# Altium PCB Board.PcbDoc (part 6 of 15)
Units mil, origin at the board's own origin, x right, y up, seen from the top; angles counter-clockwise.
Board outline 6379.64 x 4143.89 mil, 4 copper layers (Top Layer, GND, VCC, Bottom Layer); 316 components, 199 nets, 1077 pads, 596 vias.
Unrouted connection lines stored in the file: 268.
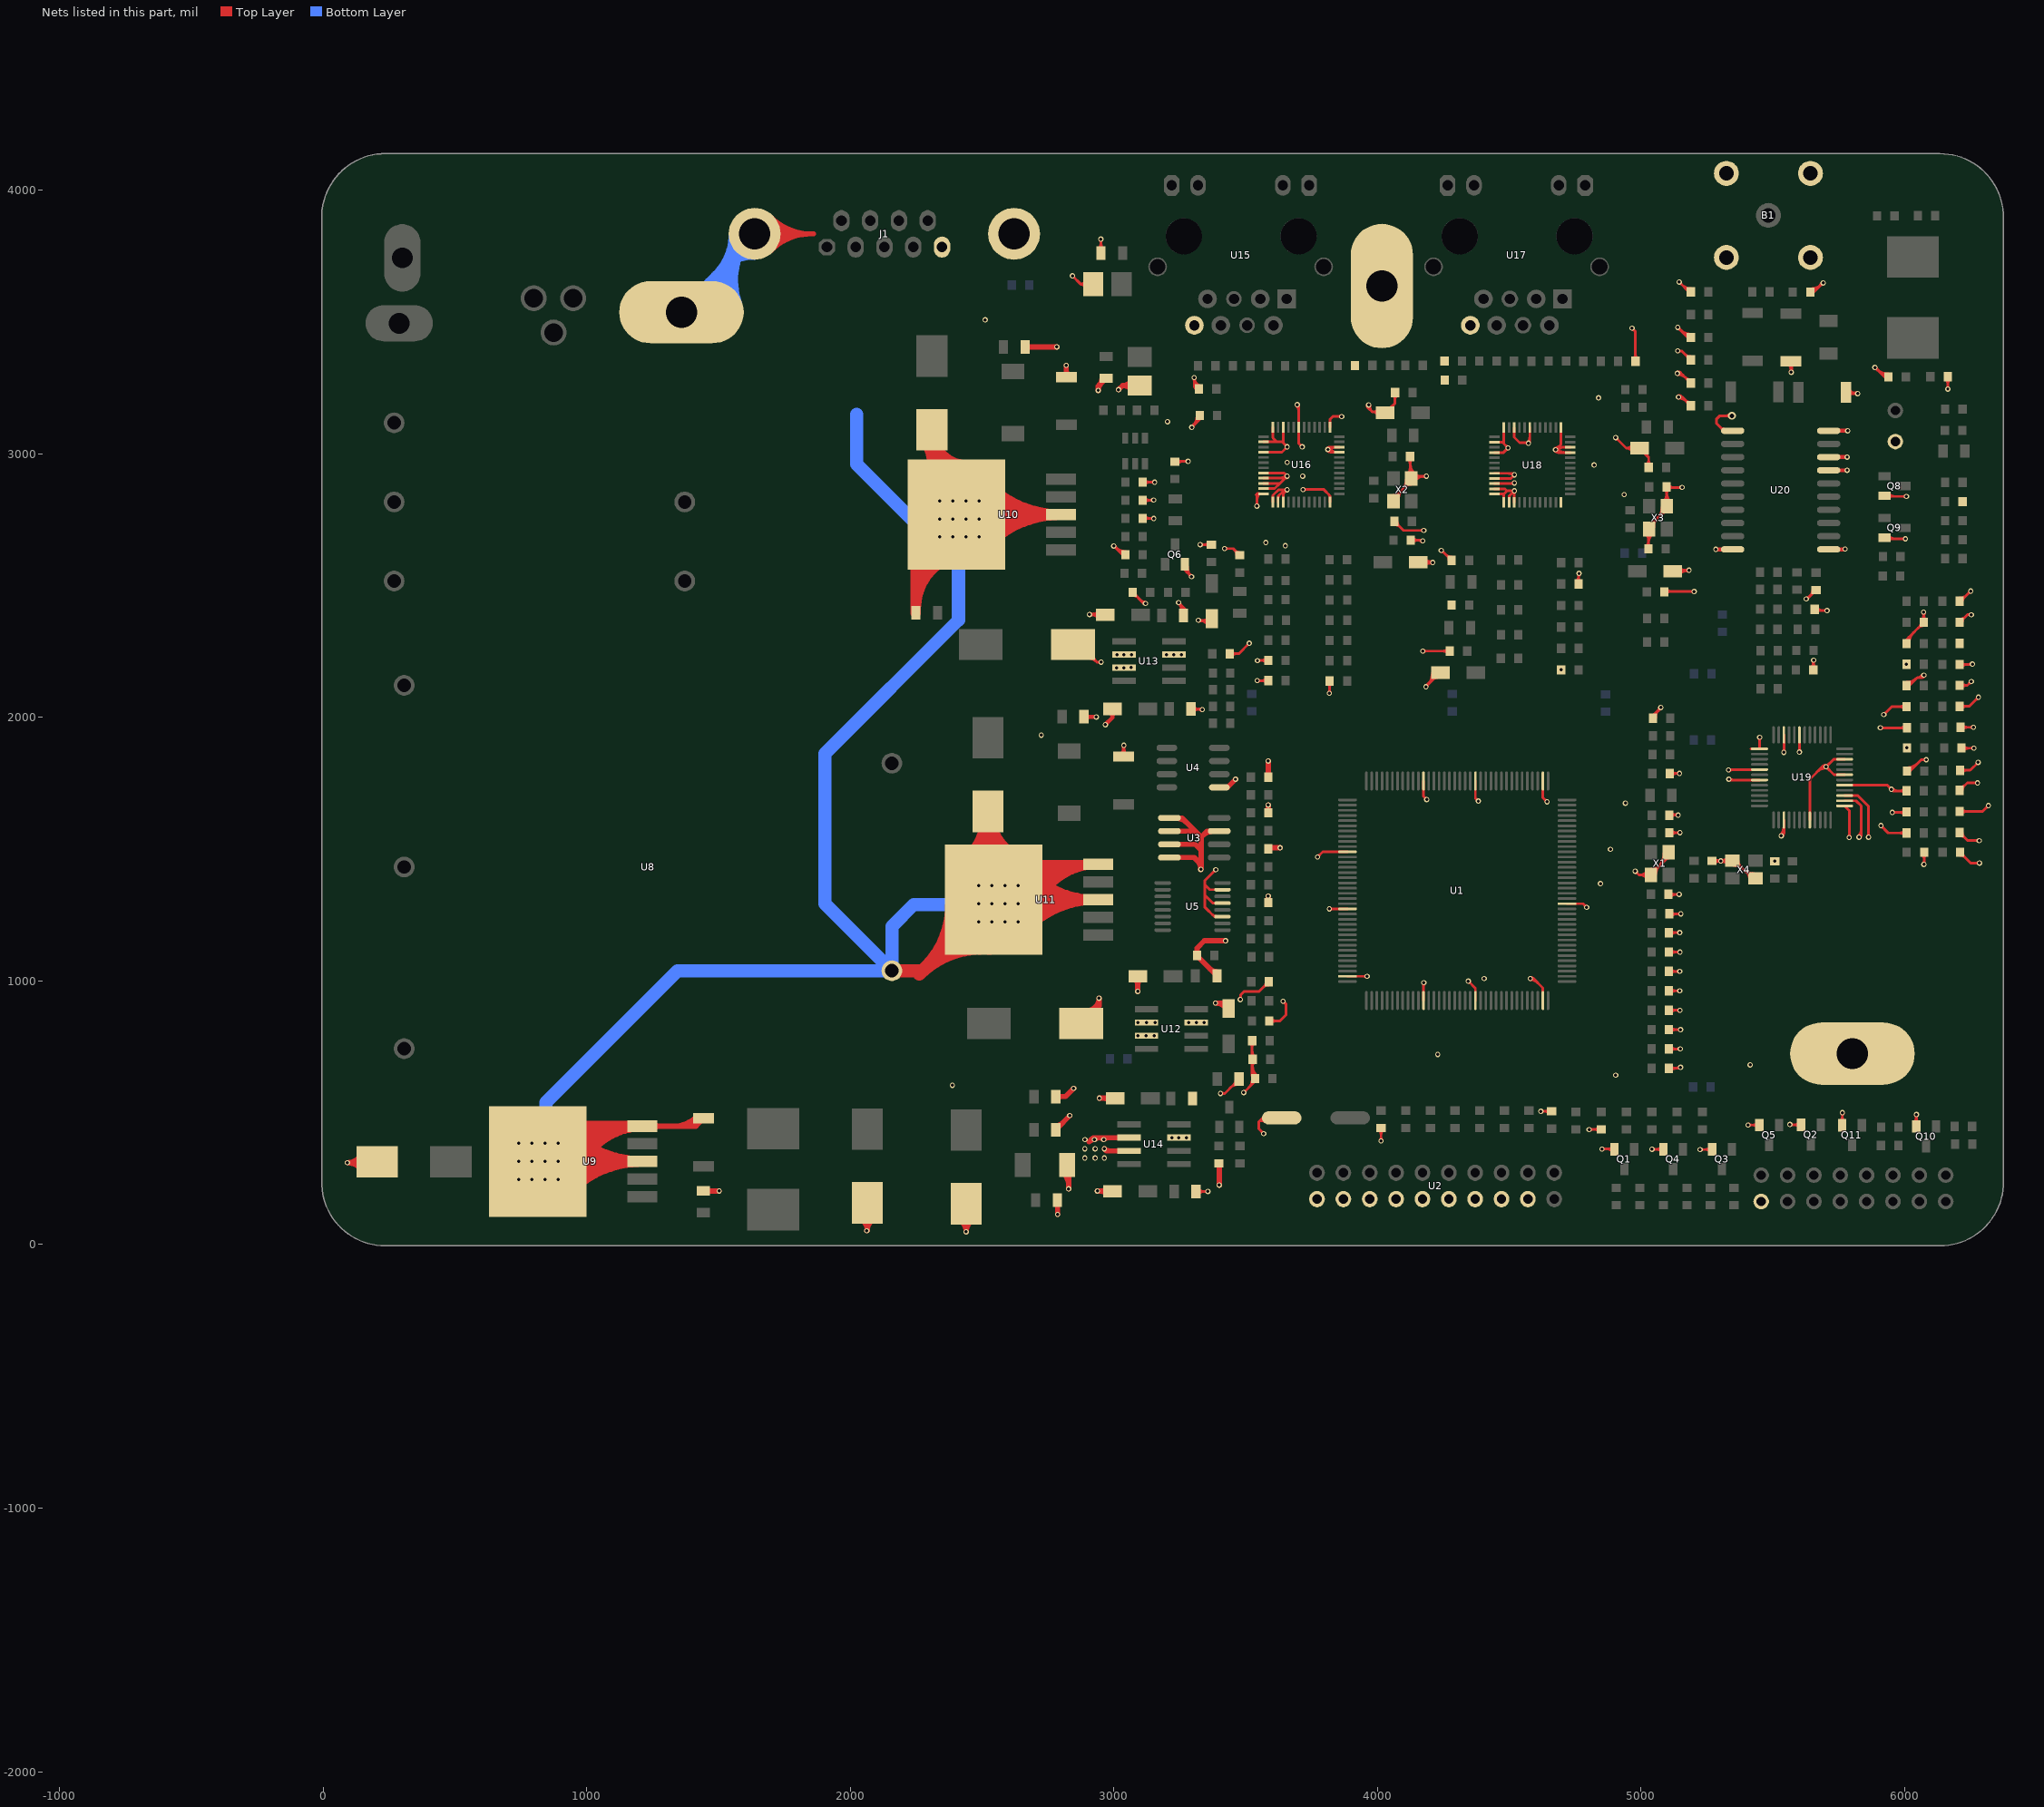
[diagram p7: the nets of this part, all layers, seen from the top]

## Via types
v1: diameter 20, hole 12, Top Layer to Bottom Layer, 590 vias
v2: diameter 30, hole 17, Top Layer to Bottom Layer, 6 vias

## Nets (pads, with @x,y where several pads share a name; then routed paths per layer and width w, separated by ;. In a path a pad name is that pad's centre, name@x,y a point inside that pad or via, vN(x,y) a via of type N, cw(c..) or ccw(c..) an arc to the next point about the centre after c; other vN are vias at no path point) (continued)
GND: (continued)
  Top Layer w10: Q8.1@5939.07,2848.25 ccw(c5962.72,2871.9) 5962.72,2838.45 ; Q8.1@5939.07,2848.25 ccw(c5962.72,2871.9) 5962.72,2838.45 ; Q8.1@5939.07,2848.25 ccw(c5962.72,2871.9) 5962.72,2838.45 ; 5941.06,1735.98 cw(c5932.53,1727.45) v1@5944.6,1727.45 ; 5941.06,1735.98 ccw(c5949.6,1744.52) v1@5949.6,1732.45 ; 5941.06,1735.98 cw(c5932.53,1727.45) v1@5944.6,1727.45 ; 5941.06,1735.98 ccw(c5949.6,1744.52) v1@5949.6,1732.45 ; 5941.06,1735.98 ccw(c5949.6,1744.52) v1@5949.6,1732.45 ; 5941.06,1735.98 cw(c5932.53,1727.45) v1@5944.6,1727.45 ; v1@5953.13,1730.98 ccw(c5976.84,1754.69) 5976.84,1721.17 ; v1@5953.13,1730.98 ccw(c5976.84,1754.69) 5976.84,1721.17 ; v1@5953.13,1730.98 ccw(c5976.84,1754.69) 5976.84,1721.17 ; v1@5956.13,1635.91 cw(c5964.67,1627.38) 5964.67,1639.45 ; v1@5956.13,1635.91 cw(c5964.67,1627.38) 5964.67,1639.45 ; v1@5956.13,1635.91 cw(c5964.67,1627.38) 5964.67,1639.45 ; v1@5956.13,1642.98 ccw(c5964.67,1651.52) 5964.67,1639.45 ; v1@5956.13,1642.98 ccw(c5964.67,1651.52) 5964.67,1639.45 ; v1@5956.13,1642.98 ccw(c5964.67,1651.52) 5964.67,1639.45 ; 5980.38,1639.45 cw(c5980.38,1613.12) C113.1@5999,1631.74 ; 5980.38,1639.45 cw(c5980.38,1613.12) C113.1@5999,1631.74 ; 5980.38,1639.45 cw(c5980.38,1613.12) C113.1@5999,1631.74 ; 5980.65,1561.45 cw(c5980.65,1535.5) C101.1@5999,1553.85 ; 5980.65,1561.45 ccw(c5980.65,1587.4) C101.1@5999,1569.05 ; 5980.65,1561.45 cw(c5980.65,1535.5) C101.1@5999,1553.85 ; 5980.65,1561.45 ccw(c5980.65,1587.4) C101.1@5999,1569.05 ; 5980.65,1561.45 ccw(c5980.65,1587.4) C101.1@5999,1569.05 ; 5980.65,1561.45 cw(c5980.65,1535.5) C101.1@5999,1553.85 ; 5980.65,1721.17 cw(c5980.65,1695.22) C117.1@5999,1713.57 ; 5980.65,1721.17 ccw(c5980.65,1747.11) C117.1@5999,1728.77 ; 5980.65,1721.17 cw(c5980.65,1695.22) C117.1@5999,1713.57 ; 5980.65,1721.17 ccw(c5980.65,1747.11) C117.1@5999,1728.77 ; 5980.65,1721.17 ccw(c5980.65,1747.11) C117.1@5999,1728.77 ; 5980.65,1721.17 cw(c5980.65,1695.22) C117.1@5999,1713.57 ; 5980.65,2040.6 cw(c5980.65,2014.65) C92.1@5999,2033 ; 5980.65,2040.6 ccw(c5980.65,2066.55) C92.1@5999,2048.2 ; 5980.65,2040.6 cw(c5980.65,2014.65) C92.1@5999,2033 ; 5980.65,2040.6 ccw(c5980.65,2066.55) C92.1@5999,2048.2 ; 5980.65,2040.6 ccw(c5980.65,2066.55) C92.1@5999,2048.2 ; 5980.65,2040.6 cw(c5980.65,2014.65) C92.1@5999,2033 ; 5980.92,1639.45 ccw(c5980.92,1665.02) C113.1@5999,1646.94 ; 5980.92,1639.45 ccw(c5980.92,1665.02) C113.1@5999,1646.94 ; 5980.92,1639.45 ccw(c5980.92,1665.02) C113.1@5999,1646.94 ; 5982.65,1960.45 cw(c5982.65,1934.5) C98.1@6001,1952.85 ; 5982.65,1960.45 ccw(c5982.65,1986.4) C98.1@6001,1968.05 ; 5982.65,1960.45 cw(c5982.65,1934.5) C98.1@6001,1952.85 ; 5982.65,1960.45 ccw(c5982.65,1986.4) C98.1@6001,1968.05 ; 5982.65,1960.45 ccw(c5982.65,1986.4) C98.1@6001,1968.05 ; 5982.65,1960.45 cw(c5982.65,1934.5) C98.1@6001,1952.85 ; 5990.53,2677.45 cw(c5990.53,2665.38) v1@5999.06,2673.91 ; 5990.53,2677.45 ccw(c5990.53,2689.52) v1@5999.06,2680.98 ; 5990.53,2677.45 cw(c5990.53,2665.38) v1@5999.06,2673.91 ; 5990.53,2677.45 ccw(c5990.53,2689.52) v1@5999.06,2680.98 ; 5990.53,2677.45 ccw(c5990.53,2689.52) v1@5999.06,2680.98 ; 5990.53,2677.45 cw(c5990.53,2665.38) v1@5999.06,2673.91 ; 5994.53,2838.45 cw(c5994.53,2826.38) v1@6003.06,2834.91 ; 5994.53,2838.45 ccw(c5994.53,2850.52) v1@6003.06,2841.98 ; 5994.53,2838.45 cw(c5994.53,2826.38) v1@6003.06,2834.91 ; 5994.53,2838.45 ccw(c5994.53,2850.52) v1@6003.06,2841.98 ; 5994.53,2838.45 ccw(c5994.53,2850.52) v1@6003.06,2841.98 ; 5994.53,2838.45 cw(c5994.53,2826.38) v1@6003.06,2834.91 ; C109.1@6007.35,2282.14 cw(c6039.57,2282.14) 6016.78,2304.92 ; C109.1@6007.35,2282.14 cw(c6039.57,2282.14) 6016.78,2304.92 ; C109.1@6007.35,2282.14 cw(c6039.57,2282.14) 6016.78,2304.92 ; C109.1@6017.35,2282.14 cw(c6073.71,2282.14) 6033.85,2322 ; C109.1@6017.35,2282.14 cw(c6073.71,2282.14) 6033.85,2322 ; C109.1@6017.35,2282.14 cw(c6073.71,2282.14) 6033.85,2322 ; Q10.1@6036.2,463.92 ccw(c6015.91,484.21) v1@6044.6,484.21 ; Q10.1@6036.2,463.92 ccw(c6015.91,484.21) v1@6044.6,484.21 ; Q10.1@6036.2,463.92 ccw(c6015.91,484.21) v1@6044.6,484.21 ; v1@6041.06,489.91 cw(c6032.53,481.38) 6044.6,481.38 ; v1@6041.06,489.91 cw(c6032.53,481.38) 6044.6,481.38 ; v1@6041.06,489.91 cw(c6032.53,481.38) 6044.6,481.38 ; 6044.6,480.33 ccw(c6067.8,480.33) Q10.1@6051.4,463.92 ; 6044.6,480.33 ccw(c6067.8,480.33) Q10.1@6051.4,463.92 ; 6044.6,480.33 ccw(c6067.8,480.33) Q10.1@6051.4,463.92 ; 6044.6,481.38 cw(c6056.67,481.38) v1@6048.13,489.91 ; 6044.6,481.38 cw(c6056.67,481.38) v1@6048.13,489.91 ; 6044.6,481.38 cw(c6056.67,481.38) v1@6048.13,489.91 ; 6047.78,2151.17 ccw(c6047.78,2174.89) 6068.28,2162.96 cw(c6047.78,2174.89) 6047.78,2151.17 ; 6050.74,2338.88 cw(c6072.45,2317.17) C86.1@6072.45,2347.87 ; 6050.74,2338.88 cw(c6072.45,2317.17) C86.1@6072.45,2347.87 ; 6050.74,2338.88 cw(c6072.45,2317.17) C86.1@6072.45,2347.87 ; 6055.49,2343.63 ccw(c6040.51,2358.62) C86.1@6061.7,2358.62 ; 6055.49,2343.63 ccw(c6040.51,2358.62) C86.1@6061.7,2358.62 ; 6055.49,2343.63 ccw(c6040.51,2358.62) C86.1@6061.7,2358.62 ; C86.1@6064.85,2370.16 ccw(c6048.55,2386.45) 6071.6,2386.45 ; C86.1@6064.85,2370.16 ccw(c6048.55,2386.45) 6071.6,2386.45 ; C86.1@6064.85,2370.16 ccw(c6048.55,2386.45) 6071.6,2386.45 ; R108.2@6066,1478.88 cw(c6047.65,1460.53) 6073.6,1460.53 ; R108.2@6066,1478.88 cw(c6047.65,1460.53) 6073.6,1460.53 ; R108.2@6066,1478.88 cw(c6047.65,1460.53) 6073.6,1460.53 ; v1@6068.06,2395.91 cw(c6059.53,2387.38) 6071.6,2387.38 ; v1@6068.06,2395.91 cw(c6059.53,2387.38) 6071.6,2387.38 ; v1@6068.06,2395.91 cw(c6059.53,2387.38) 6071.6,2387.38 ; v1@6069.06,1445.98 ccw(c6058.11,1456.93) 6073.6,1456.93 ; v1@6069.06,1445.98 ccw(c6058.11,1456.93) 6073.6,1456.93 ; v1@6069.06,1445.98 ccw(c6058.11,1456.93) 6073.6,1456.93 ; 6069.53,1839.45 cw(c6069.53,1827.38) v1@6078.06,1835.91 ; 6069.53,1839.45 ccw(c6069.53,1851.52) v1@6078.06,1842.98 ; 6069.53,1839.45 cw(c6069.53,1827.38) v1@6078.06,1835.91 ; 6069.53,1839.45 ccw(c6069.53,1851.52) v1@6078.06,1842.98 ; 6069.53,1839.45 ccw(c6069.53,1851.52) v1@6078.06,1842.98 ; 6069.53,1839.45 cw(c6069.53,1827.38) v1@6078.06,1835.91 ; 6071.6,2387.38 cw(c6083.67,2387.38) v1@6075.13,2395.91 ; 6071.6,2387.38 cw(c6083.67,2387.38) v1@6075.13,2395.91 ; 6071.6,2387.38 cw(c6083.67,2387.38) v1@6075.13,2395.91 ; v1@6071.6,2390.56 ccw(c6100.45,2390.56) C86.1@6080.05,2370.16 ; v1@6071.6,2390.56 ccw(c6100.45,2390.56) C86.1@6080.05,2370.16 ; v1@6071.6,2390.56 ccw(c6100.45,2390.56) C86.1@6080.05,2370.16 ; 6073.6,1460.53 cw(c6099.55,1460.53) R108.2@6081.2,1478.88 ; 6073.6,1460.53 cw(c6099.55,1460.53) R108.2@6081.2,1478.88 ; 6073.6,1460.53 cw(c6099.55,1460.53) R108.2@6081.2,1478.88 ; R98.1@6156,3282.88 cw(c6137.65,3264.53) 6163.6,3264.53 ; R98.1@6156,3282.88 cw(c6137.65,3264.53) 6163.6,3264.53 ; R98.1@6156,3282.88 cw(c6137.65,3264.53) 6163.6,3264.53 ; v1@6160.06,3248.98 ccw(c6151.53,3257.52) 6163.6,3257.52 ; v1@6160.06,3248.98 ccw(c6151.53,3257.52) 6163.6,3257.52 ; v1@6160.06,3248.98 ccw(c6151.53,3257.52) 6163.6,3257.52 ; 6163.6,3257.52 ccw(c6175.67,3257.52) v1@6167.13,3248.98 ; 6163.6,3257.52 ccw(c6175.67,3257.52) v1@6167.13,3248.98 ; 6163.6,3257.52 ccw(c6175.67,3257.52) v1@6167.13,3248.98 ; 6163.6,3264.53 cw(c6189.55,3264.53) R98.1@6171.2,3282.88 ; 6163.6,3264.53 cw(c6189.55,3264.53) R98.1@6171.2,3282.88 ; 6163.6,3264.53 cw(c6189.55,3264.53) R98.1@6171.2,3282.88 ; C100.1@6208.6,1550.73 cw(c6208.6,1520.03) 6230.31,1541.74 ; C100.1@6208.6,1550.73 cw(c6208.6,1520.03) 6230.31,1541.74 ; C100.1@6208.6,1550.73 cw(c6208.6,1520.03) 6230.31,1541.74 ; C115.1@6208.6,1735.62 ccw(c6208.6,1766.32) 6230.31,1744.61 ; C115.1@6208.6,1735.62 ccw(c6208.6,1766.32) 6230.31,1744.61 ; C115.1@6208.6,1735.62 ccw(c6208.6,1766.32) 6230.31,1744.61 ; C102.1@6208.6,2373.44 ccw(c6208.6,2404.14) 6230.31,2382.43 ; C102.1@6208.6,2373.44 ccw(c6208.6,2404.14) 6230.31,2382.43 ; C102.1@6208.6,2373.44 ccw(c6208.6,2404.14) 6230.31,2382.43 ; R90.1@6208.6,2453.16 ccw(c6208.6,2491.1) 6235.42,2464.28 ; R90.1@6208.6,2453.16 ccw(c6208.6,2491.1) 6235.42,2464.28 ; R90.1@6208.6,2453.16 ccw(c6208.6,2491.1) 6235.42,2464.28 ; C89.1@6209.6,1475.73 cw(c6209.6,1445.03) 6231.31,1466.74 ; C89.1@6209.6,1475.73 cw(c6209.6,1445.03) 6231.31,1466.74 ; C89.1@6209.6,1475.73 cw(c6209.6,1445.03) 6231.31,1466.74 ; C112.1@6216.2,1635.58 cw(c6234.55,1617.23) 6234.55,1643.18 ; C112.1@6216.2,1635.58 cw(c6234.55,1617.23) 6234.55,1643.18 ; C112.1@6216.2,1635.58 cw(c6234.55,1617.23) 6234.55,1643.18 ; C112.1@6216.2,1650.78 ccw(c6234.55,1669.12) 6234.55,1643.18 ; C112.1@6216.2,1650.78 ccw(c6234.55,1669.12) 6234.55,1643.18 ; C112.1@6216.2,1650.78 ccw(c6234.55,1669.12) 6234.55,1643.18 ; C93.1@6216.2,2034.21 cw(c6234.55,2015.86) 6234.55,2041.81 ; C93.1@6216.2,2034.21 cw(c6234.55,2015.86) 6234.55,2041.81 ; C93.1@6216.2,2034.21 cw(c6234.55,2015.86) 6234.55,2041.81 ; C93.1@6216.2,2049.41 ccw(c6234.55,2067.76) 6234.55,2041.81 ; C93.1@6216.2,2049.41 ccw(c6234.55,2067.76) 6234.55,2041.81 ; C93.1@6216.2,2049.41 ccw(c6234.55,2067.76) 6234.55,2041.81 ; C90.1@6216.2,2113.94 cw(c6234.55,2095.59) 6234.55,2121.54 ; C90.1@6216.2,2113.94 cw(c6234.55,2095.59) 6234.55,2121.54 ; C90.1@6216.2,2113.94 cw(c6234.55,2095.59) 6234.55,2121.54 ; C90.1@6216.2,2129.14 ccw(c6234.55,2147.49) 6234.55,2121.54 ; C90.1@6216.2,2129.14 ccw(c6234.55,2147.49) 6234.55,2121.54 ; C90.1@6216.2,2129.14 ccw(c6234.55,2147.49) 6234.55,2121.54 ; C105.1@6216.2,2192.85 cw(c6234.55,2174.5) 6234.55,2200.45 ; C105.1@6216.2,2192.85 cw(c6234.55,2174.5) 6234.55,2200.45 ; C105.1@6216.2,2192.85 cw(c6234.55,2174.5) 6234.55,2200.45 ; C105.1@6216.2,2208.05 ccw(c6234.55,2226.4) 6234.55,2200.45 ; C105.1@6216.2,2208.05 ccw(c6234.55,2226.4) 6234.55,2200.45 ; C105.1@6216.2,2208.05 ccw(c6234.55,2226.4) 6234.55,2200.45 ; C114.1@6218.2,1791.85 cw(c6236.55,1773.5) 6236.55,1799.45 ; C114.1@6218.2,1791.85 cw(c6236.55,1773.5) 6236.55,1799.45 ; C114.1@6218.2,1791.85 cw(c6236.55,1773.5) 6236.55,1799.45 ; C114.1@6218.2,1807.05 ccw(c6236.55,1825.4) 6236.55,1799.45 ; C114.1@6218.2,1807.05 ccw(c6236.55,1825.4) 6236.55,1799.45 ; C114.1@6218.2,1807.05 ccw(c6236.55,1825.4) 6236.55,1799.45 ; C99.1@6219.2,1954.85 cw(c6237.55,1936.5) 6237.55,1962.45 ; C99.1@6219.2,1954.85 cw(c6237.55,1936.5) 6237.55,1962.45 ; C99.1@6219.2,1954.85 cw(c6237.55,1936.5) 6237.55,1962.45 ; C99.1@6219.2,1970.05 ccw(c6237.55,1988.4) 6237.55,1962.45 ; C99.1@6219.2,1970.05 ccw(c6237.55,1988.4) 6237.55,1962.45 ; C99.1@6219.2,1970.05 ccw(c6237.55,1988.4) 6237.55,1962.45 ; C100.1@6219.35,1561.48 ccw(c6240.54,1561.48) 6225.55,1546.49 ; C100.1@6219.35,1561.48 ccw(c6240.54,1561.48) 6225.55,1546.49 ; C100.1@6219.35,1561.48 ccw(c6240.54,1561.48) 6225.55,1546.49 ; C115.1@6219.35,1724.87 cw(c6240.54,1724.87) 6225.55,1739.86 ; C115.1@6219.35,1724.87 cw(c6240.54,1724.87) 6225.55,1739.86 ; C115.1@6219.35,1724.87 cw(c6240.54,1724.87) 6225.55,1739.86 ; C102.1@6219.35,2362.69 cw(c6240.54,2362.69) 6225.55,2377.68 ; C102.1@6219.35,2362.69 cw(c6240.54,2362.69) 6225.55,2377.68 ; C102.1@6219.35,2362.69 cw(c6240.54,2362.69) 6225.55,2377.68 ; R90.1@6219.35,2442.42 cw(c6233.3,2442.42) R90.1@6223.43,2452.28 ; R90.1@6219.35,2442.42 cw(c6233.3,2442.42) R90.1@6223.43,2452.28 ; R90.1@6219.35,2442.42 cw(c6233.3,2442.42) R90.1@6223.43,2452.28 ; C89.1@6220.35,1486.48 ccw(c6241.54,1486.48) 6226.55,1471.49 ; C89.1@6220.35,1486.48 ccw(c6241.54,1486.48) 6226.55,1471.49 ; C89.1@6220.35,1486.48 ccw(c6241.54,1486.48) 6226.55,1471.49 ; C110.1@6223.2,1874.88 cw(c6243.88,1854.19) 6243.88,1883.45 ; C110.1@6223.2,1874.88 cw(c6243.88,1854.19) 6243.88,1883.45 ; C110.1@6223.2,1874.88 cw(c6243.88,1854.19) 6243.88,1883.45 ; C110.1@6223.2,1890.08 ccw(c6239.21,1906.09) 6239.21,1883.45 ; C110.1@6223.2,1890.08 ccw(c6239.21,1906.09) 6239.21,1883.45 ; C110.1@6223.2,1890.08 ccw(c6239.21,1906.09) 6239.21,1883.45 ; 6239.7,2200.45 ccw(c6239.7,2219.35) v1@6253.06,2205.98 ; 6239.7,2200.45 ccw(c6239.7,2219.35) v1@6253.06,2205.98 ; 6239.7,2200.45 ccw(c6239.7,2219.35) v1@6253.06,2205.98 ; 6240.53,2389.45 cw(c6240.53,2377.38) v1@6249.06,2385.91 ; 6240.53,2389.45 ccw(c6240.53,2401.52) v1@6249.06,2392.98 ; 6240.53,2389.45 cw(c6240.53,2377.38) v1@6249.06,2385.91 ; 6240.53,2389.45 ccw(c6240.53,2401.52) v1@6249.06,2392.98 ; 6240.53,2389.45 ccw(c6240.53,2401.52) v1@6249.06,2392.98 ; 6240.53,2389.45 cw(c6240.53,2377.38) v1@6249.06,2385.91 ; 6242.06,2470.91 cw(c6250.6,2462.38) v1@6250.6,2474.45 ; 6242.06,2470.91 ccw(c6233.53,2479.45) v1@6245.6,2479.45 ; 6242.06,2470.91 cw(c6250.6,2462.38) v1@6250.6,2474.45 ; 6242.06,2470.91 ccw(c6233.53,2479.45) v1@6245.6,2479.45 ; 6242.06,2470.91 ccw(c6233.53,2479.45) v1@6245.6,2479.45 ; 6242.06,2470.91 cw(c6250.6,2462.38) v1@6250.6,2474.45 ; 6244.06,2127.91 cw(c6252.6,2119.38) v1@6252.6,2131.45 ; 6244.06,2127.91 ccw(c6235.53,2136.45) v1@6247.6,2136.45 ; 6244.06,2127.91 cw(c6252.6,2119.38) v1@6252.6,2131.45 ; 6244.06,2127.91 ccw(c6235.53,2136.45) v1@6247.6,2136.45 ; 6244.06,2127.91 ccw(c6235.53,2136.45) v1@6247.6,2136.45 ; 6244.06,2127.91 cw(c6252.6,2119.38) v1@6252.6,2131.45 ; 6248.53,1962.45 cw(c6248.53,1950.38) v1@6257.06,1958.91 ; 6248.53,1962.45 ccw(c6248.53,1974.52) v1@6257.06,1965.98 ; 6248.53,1962.45 cw(c6248.53,1950.38) v1@6257.06,1958.91 ; 6248.53,1962.45 ccw(c6248.53,1974.52) v1@6257.06,1965.98 ; 6248.53,1962.45 ccw(c6248.53,1974.52) v1@6257.06,1965.98 ; 6248.53,1962.45 cw(c6248.53,1950.38) v1@6257.06,1958.91 ; 6250.53,1883.45 cw(c6250.53,1871.38) v1@6259.06,1879.91 ; 6250.53,1883.45 ccw(c6250.53,1895.52) v1@6259.06,1886.98 ; 6250.53,1883.45 cw(c6250.53,1871.38) v1@6259.06,1879.91 ; 6250.53,1883.45 ccw(c6250.53,1895.52) v1@6259.06,1886.98 ; 6250.53,1883.45 ccw(c6250.53,1895.52) v1@6259.06,1886.98 ; 6250.53,1883.45 cw(c6250.53,1871.38) v1@6259.06,1879.91 ; 6264.53,1751.45 cw(c6264.53,1739.38) v1@6273.06,1747.91 ; 6264.53,1751.45 ccw(c6264.53,1763.52) v1@6273.06,1754.98 ; 6264.53,1751.45 cw(c6264.53,1739.38) v1@6273.06,1747.91 ; 6264.53,1751.45 ccw(c6264.53,1763.52) v1@6273.06,1754.98 ; 6264.53,1751.45 ccw(c6264.53,1763.52) v1@6273.06,1754.98 ; 6264.53,1751.45 cw(c6264.53,1739.38) v1@6273.06,1747.91 ; 6270.06,1820.91 cw(c6278.6,1812.38) v1@6278.6,1824.45 ; 6270.06,1820.91 ccw(c6261.53,1829.45) v1@6273.6,1829.45 ; 6270.06,1820.91 cw(c6278.6,1812.38) v1@6278.6,1824.45 ; 6270.06,1820.91 ccw(c6261.53,1829.45) v1@6273.6,1829.45 ; 6270.06,1820.91 ccw(c6261.53,1829.45) v1@6273.6,1829.45 ; 6270.06,1820.91 cw(c6278.6,1812.38) v1@6278.6,1824.45 ; 6270.53,1532.45 cw(c6270.53,1520.38) v1@6279.06,1528.91 ; 6270.53,1532.45 ccw(c6270.53,1544.52) v1@6279.06,1535.98 ; 6270.53,1532.45 cw(c6270.53,1520.38) v1@6279.06,1528.91 ; 6270.53,1532.45 ccw(c6270.53,1544.52) v1@6279.06,1535.98 ; 6270.53,1532.45 ccw(c6270.53,1544.52) v1@6279.06,1535.98 ; 6270.53,1532.45 cw(c6270.53,1520.38) v1@6279.06,1528.91 ; 6271.06,2067.91 cw(c6279.6,2059.38) v1@6279.6,2071.45 ; 6271.06,2067.91 ccw(c6262.53,2076.45) v1@6274.6,2076.45 ; 6271.06,2067.91 cw(c6279.6,2059.38) v1@6279.6,2071.45 ; 6271.06,2067.91 ccw(c6262.53,2076.45) v1@6274.6,2076.45 ; 6271.06,2067.91 ccw(c6262.53,2076.45) v1@6274.6,2076.45 ; 6271.06,2067.91 cw(c6279.6,2059.38) v1@6279.6,2071.45 ; 6271.53,1447.45 cw(c6271.53,1435.38) v1@6280.06,1443.91 ; 6271.53,1447.45 ccw(c6271.53,1459.52) v1@6280.06,1450.98 ; 6271.53,1447.45 cw(c6271.53,1435.38) v1@6280.06,1443.91 ; 6271.53,1447.45 ccw(c6271.53,1459.52) v1@6280.06,1450.98 ; 6271.53,1447.45 ccw(c6271.53,1459.52) v1@6280.06,1450.98 ; 6271.53,1447.45 cw(c6271.53,1435.38) v1@6280.06,1443.91 ; 6309.06,1656.91 cw(c6317.6,1648.38) v1@6317.6,1660.45 ; 6309.06,1656.91 ccw(c6300.53,1665.45) v1@6312.6,1665.45 ; 6309.06,1656.91 cw(c6317.6,1648.38) v1@6317.6,1660.45 ; 6309.06,1656.91 ccw(c6300.53,1665.45) v1@6312.6,1665.45 ; 6309.06,1656.91 ccw(c6300.53,1665.45) v1@6312.6,1665.45 ; 6309.06,1656.91 cw(c6317.6,1648.38) v1@6317.6,1660.45 ; C35.1@2879.63,2233.78 cw(c2890.97,2189.67) 2923.17,2221.88 ccw(c2890.97,2189.67) C35.1@2879.63,2233.78 ; v1@3006.16,2643.89 ccw(c3039.64,2677.37) 3042.99,2630.14 cw(c3039.64,2677.37) v1@3006.16,2643.89 ; 3021.66,2628.39 ccw(c3041.69,2648.43) 3043.7,2620.16 cw(c3041.69,2648.43) 3021.66,2628.39 ; v1@3248.76,2432.29 cw(c3216.91,2400.44) 3261.58,2394.67 ccw(c3216.91,2400.44) v1@3248.76,2432.29 ; 3263.14,2417.9 cw(c3242.39,2397.15) 3271.5,2393.39 ccw(c3242.39,2397.15) 3263.14,2417.9 ; Q6.1@3270.12,2573.36 ccw(c3289.95,2567.39) 3275.31,2552.74 cw(c3289.95,2567.39) Q6.1@3270.12,2573.36 ; Q6.1@3279.69,2570.48 ccw(c3308.14,2561.92) 3287.13,2540.91 cw(c3308.14,2561.92) Q6.1@3279.69,2570.48 ; v1@3302.12,3106.97 ccw(c3270.78,3138.3) 3314.9,3142.47 cw(c3270.78,3138.3) v1@3302.12,3106.97 ; 3305.58,3263.46 ccw(c3317.24,3275.12) 3320.49,3258.96 cw(c3317.24,3275.12) 3305.58,3263.46 ; 3317.14,3121.99 ccw(c3298.24,3140.9) 3324.85,3143.41 cw(c3298.24,3140.9) 3317.14,3121.99 ; 3549.01,464.86 cw(c3570.54,443.32) 3582.63,471.27 ccw(c3570.54,443.32) 3549.01,464.86 ; 3559.41,475.26 cw(c3576.82,457.85) 3586.6,480.45 ccw(c3576.82,457.85) 3559.41,475.26 ; v1@3692.06,3182.91 cw(c3668.66,3159.51) 3701.76,3159.51 ccw(c3668.66,3159.51) v1@3692.06,3182.91 ; v1@3808.06,3012.91 ccw(c3824.91,3029.76) 3824.91,3005.94 cw(c3824.91,3029.76) v1@3808.06,3012.91 ; v1@3808.06,3019.98 cw(c3821.67,3006.38) 3821.67,3025.62 ccw(c3821.67,3006.38) v1@3808.06,3019.98 ; 3813.18,2847.87 cw(c3797.03,2831.72) 3819.87,2831.72 ccw(c3797.03,2831.72) 3813.18,2847.87 ; v1@3815.13,3012.91 cw(c3845.81,2982.23) 3845.81,3025.62 ccw(c3845.81,2982.23) v1@3815.13,3012.91 ; v1@3815.13,3019.98 ccw(c3849.05,3053.9) 3849.05,3005.94 cw(c3849.05,3053.9) v1@3815.13,3019.98 ; v1@3962.28,3187.97 ccw(c3971.44,3182.61) 3963.94,3175.11 cw(c3971.44,3182.61) v1@3962.28,3187.97 ; v1@3970.91,3182.92 ccw(c3983,3175.85) 3973.1,3165.95 cw(c3983,3175.85) v1@3970.91,3182.92 ; v1@4188.47,2121.32 ccw(c4140.72,2169.07) 4208.24,2169.37 cw(c4140.72,2169.07) v1@4188.47,2121.32 ; 4205.43,2138.28 ccw(c4174.5,2169.22) 4218.24,2169.41 cw(c4174.5,2169.22) 4205.43,2138.28 ; v1@4672.06,3011.91 ccw(c4688.91,3028.76) 4688.91,3004.94 cw(c4688.91,3028.76) v1@4672.06,3011.91 ; v1@4672.06,3018.98 cw(c4685.67,3005.38) 4685.67,3024.62 ccw(c4685.67,3005.38) v1@4672.06,3018.98 ; v1@4679.13,3011.91 cw(c4709.81,2981.23) 4709.81,3024.62 ccw(c4709.81,2981.23) v1@4679.13,3011.91 ; v1@4679.13,3018.98 ccw(c4713.05,3052.9) 4713.05,3004.94 cw(c4713.05,3052.9) v1@4679.13,3018.98 ; C73.1@5020.91,3011.02 ccw(c5033.06,3002.8) 5022.69,2992.43 cw(c5033.06,3002.8) C73.1@5020.91,3011.02 ; X1.4@5037.67,1425.01 ccw(c5037.67,1473.1) 5071.68,1439.09 cw(c5037.67,1473.1) X1.4@5037.67,1425.01 ; X1.4@5056.29,1406.39 cw(c5098.11,1406.39) 5068.54,1435.96 ccw(c5098.11,1406.39) X1.4@5056.29,1406.39 ; 5063.54,1430.95 ccw(c5009.37,1485.13) 5085.98,1485.13 cw(c5009.37,1485.13) 5063.54,1430.95 ; 5063.73,2757.76 ccw(c5026.81,2794.68) 5078.99,2796.48 cw(c5026.81,2794.68) 5063.73,2757.76 ; X3.2@5080,2774.03 ccw(c5058.26,2795.77) 5088.98,2796.83 cw(c5058.26,2795.77) X3.2@5080,2774.03 ; 5080.61,1448.02 ccw(c5043.51,1485.13) 5095.98,1485.13 cw(c5043.51,1485.13) 5080.61,1448.02 ; X1.2@5095.19,1462.61 cw(c5104.6,1453.2) 5104.6,1466.5 ccw(c5104.6,1453.2) X1.2@5095.19,1462.61 ; v1@5135.23,3309.85 cw(c5141.11,3298.9) 5149.91,3307.69 ccw(c5141.11,3298.9) v1@5135.23,3309.85 ; v1@5139.19,3219.83 cw(c5144.94,3209.35) 5153.39,3217.8 ccw(c5144.94,3209.35) v1@5139.19,3219.83 ; v1@5139.96,3301.04 cw(c5147.76,3286.51) 5159.42,3298.17 ccw(c5147.76,3286.51) v1@5139.96,3301.04 ; v1@5144,3211.06 cw(c5151.62,3197.17) 5162.82,3208.37 ccw(c5151.62,3197.17) v1@5144,3211.06 ; v1@5528.06,1553.98 ccw(c5495.14,1586.91) 5541.7,1586.91 cw(c5495.14,1586.91) v1@5528.06,1553.98 ; v1@5535.13,1546.91 ccw(c5519.28,1562.77) 5541.7,1562.77 cw(c5519.28,1562.77) v1@5535.13,1546.91 ; 5680,1805.25 cw(c5691.49,1793.76) 5699.22,1808.05 ccw(c5691.49,1793.76) 5680,1805.25 ; 5689.49,1814.73 cw(c5698.15,1806.07) 5703.98,1816.85 ccw(c5698.15,1806.07) 5689.49,1814.73 ; 5895.58,3318.46 ccw(c5931.19,3354.07) 5937.3,3304.09 cw(c5931.19,3354.07) 5895.58,3318.46 ; 5910.09,3303.95 ccw(c5934.35,3328.21) 5938.51,3294.16 cw(c5934.35,3328.21) 5910.09,3303.95 ; C91.1@6006.6,2123.17 ccw(c6006.6,2154.99) 6029.1,2132.49 cw(c6006.6,2154.99) C91.1@6006.6,2123.17 